# KiCad board PDNode_Baseboard.kicad_pcb (continued)
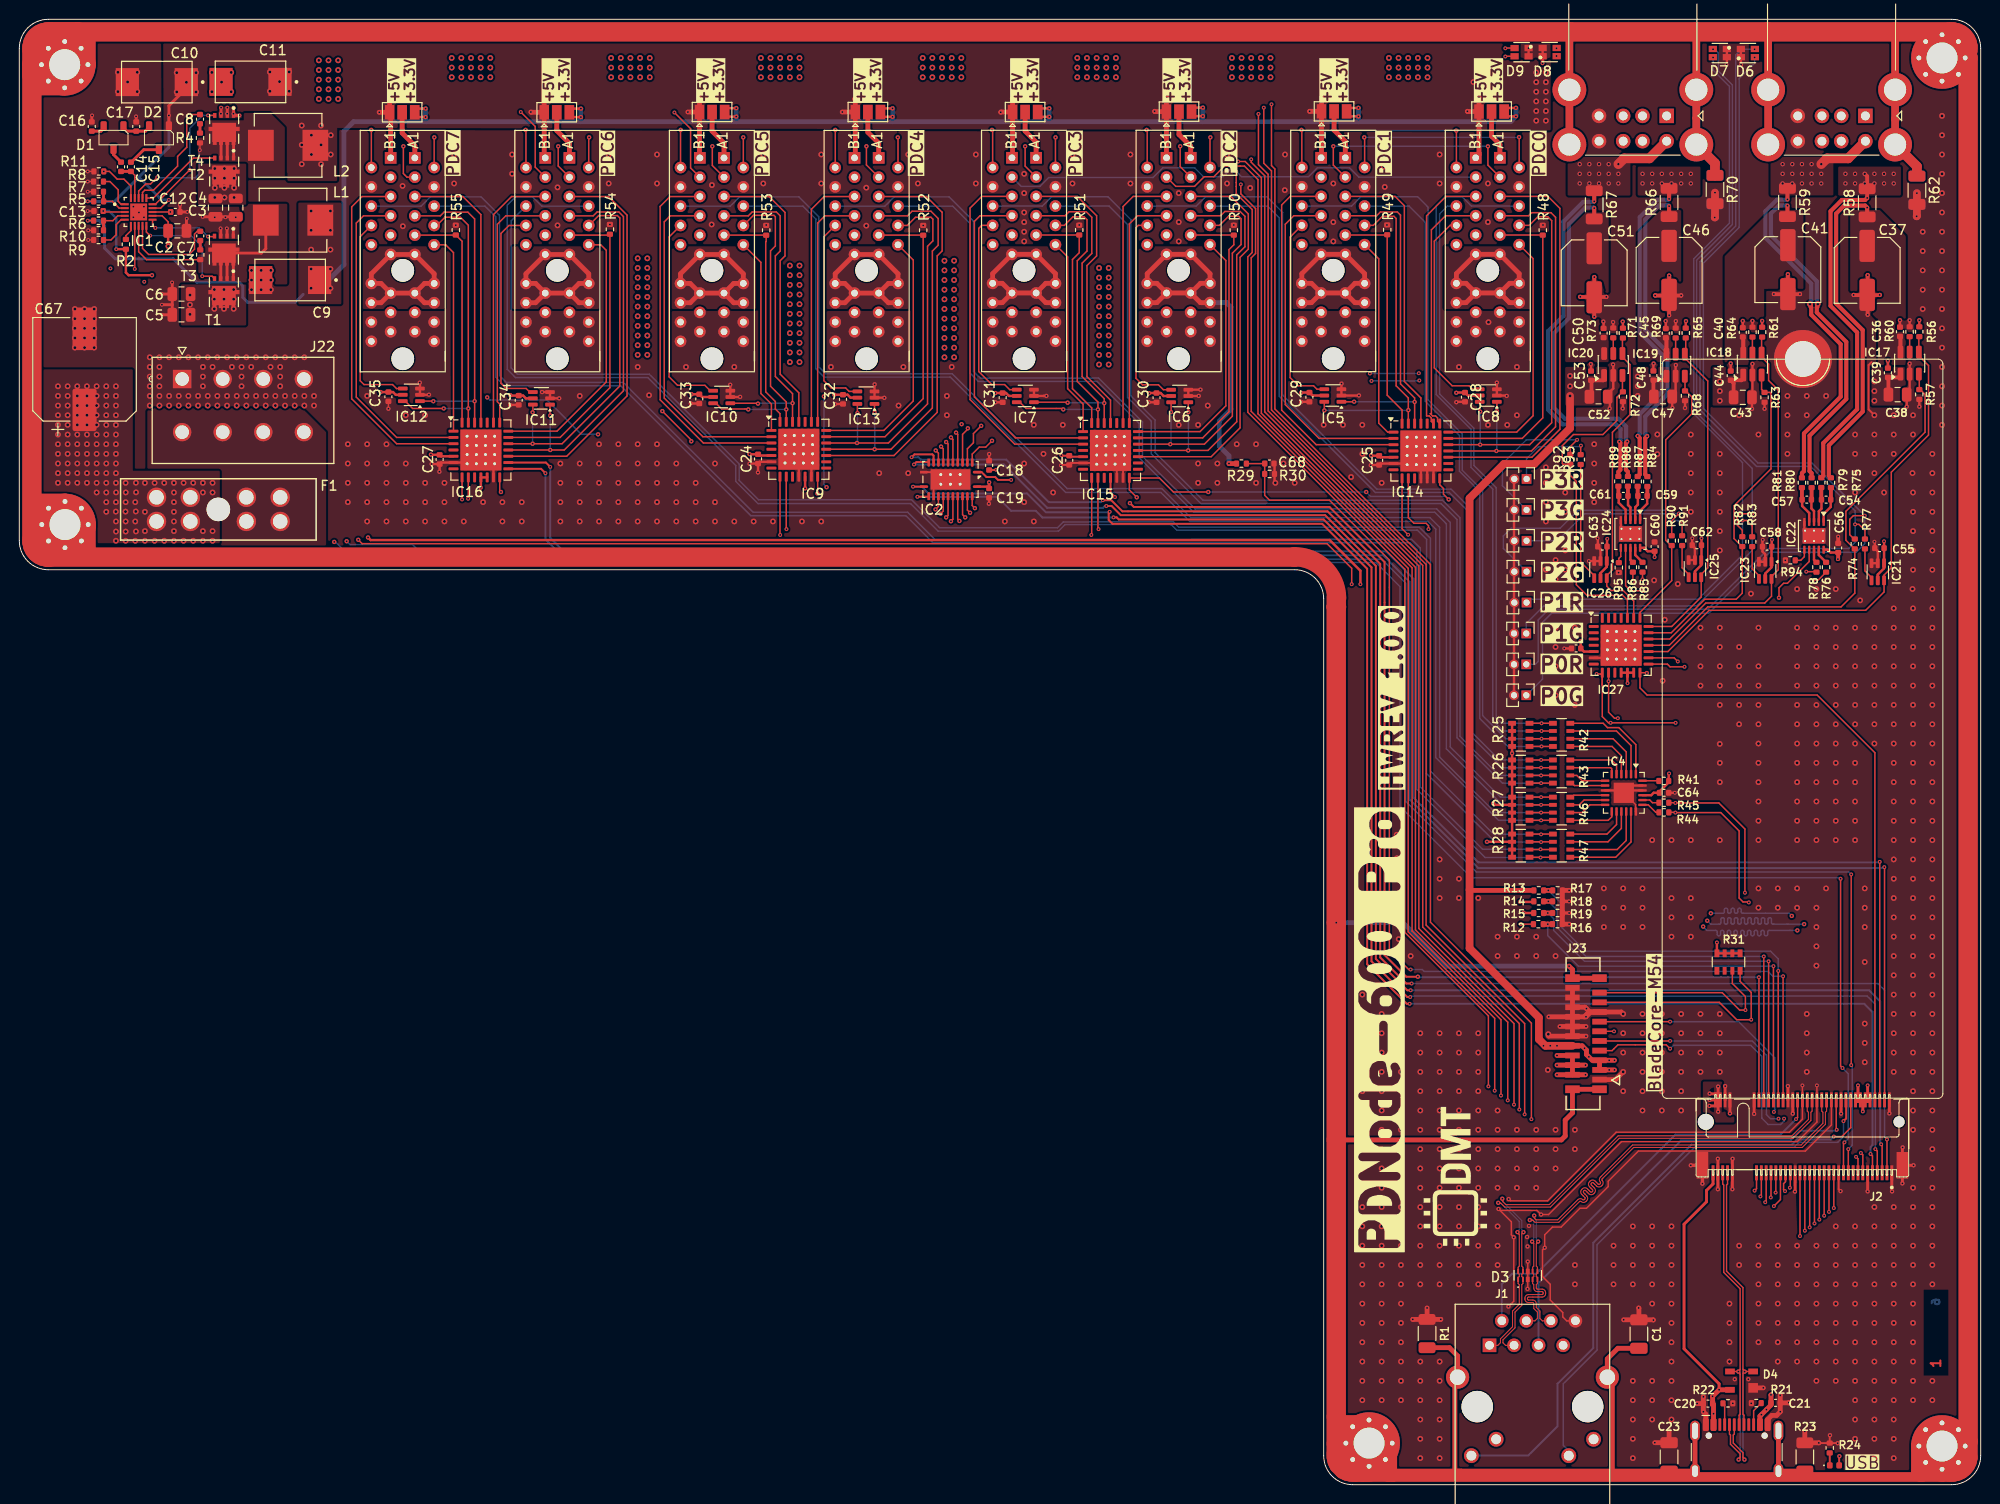
[diagram p0: board, top side]
## Nets (continued)
PORT_EN_PORT3: IC7.4 J7.B8
PORT_EN_PORT4: IC13.4 J8.B8
PORT_EN_PORT5: IC10.4 J9.B8
PORT_EN_PORT6: IC11.4 J10.B8
PORT_EN_PORT7: IC12.4 J11.B8
PORTA0_N: J12.1 R58.2 R79.2
PORTA0_P: C36.1 C37.1 IC17.6 R58.1 R75.2
PORTA1_N: J12.5 R59.1 R81.2
PORTA1_P: C40.1 C41.1 IC18.6 R59.2 R80.2
PORTA2_N: J13.1 R66.2 R87.2
PORTA2_P: C45.1 C46.1 IC19.6 R66.1 R84.2
PORTA3_N: J13.5 R67.1 R89.2
PORTA3_P: C50.1 C51.1 IC20.6 R67.2 R88.2
SHIELD: C1.2 C23.1 C42.1 C49.1 H1.1 H2.1 H3.1 H4.1 H5.1 J1.13 J1.14 J3.S1 J12.9 J13.9 J23.P1 J23.P2 J23.P3 J23.P4 R1.2 R23.1 R62.1 R70.1
Net-(C7-Pad2): C7.2 R3.1
Net-(C8-Pad2): C8.2 R4.1
Net-(C14-Pad2): C14.2 D1.3
Net-(C15-Pad2): C15.2 D2.3
Net-(C17-Pad1): C17.1 D1.1 D2.2
Net-(D6-A1): D6.4 J14.1 R74.2
Net-(D6-A2): D6.3 J15.1 R77.2
Net-(D7-A1): D7.4 J16.1 R82.2
Net-(D7-A2): D7.3 J17.1 R83.2
Net-(D8-A1): D8.4 J18.1 R90.2
Net-(D8-A2): D8.3 J19.1 R91.2
Net-(D9-A1): D9.4 J20.1 R92.2
Net-(D9-A2): D9.3 J21.1 R93.2
Net-(IC1-VBST1): C8.1 IC1.17
Net-(IC1-VBST2): C7.1 IC1.9
Net-(IC4-SCL0): IC4.2 R42.7
Net-(IC4-SCL1): IC4.4 R42.5
Net-(IC4-SCL2): IC4.6 R43.7
Net-(IC4-SCL3): IC4.8 R43.5
Net-(IC4-SCL4): IC4.11 R46.7
Net-(IC4-SCL5): IC4.13 R46.5
Net-(IC4-SCL6): IC4.15 R47.7
Net-(IC4-SCL7): IC4.17 R47.5
Net-(IC4-SDA0): IC4.1 R42.8
Net-(IC4-SDA1): IC4.3 R42.6
Net-(IC4-SDA2): IC4.5 R43.8
Net-(IC4-SDA3): IC4.7 R43.6
Net-(IC4-SDA4): IC4.10 R46.8
Net-(IC4-SDA5): IC4.12 R46.6
Net-(IC4-SDA6): IC4.14 R47.8
Net-(IC4-SDA7): IC4.16 R47.6
Net-(IC17-ILIM): IC17.5 R60.1
Net-(IC18-ILIM): IC18.5 R64.1
Net-(IC19-ILIM): IC19.5 R69.1
Net-(IC20-ILIM): IC20.5 R73.1
Net-(IC21-Y): IC21.4 R77.1
Net-(IC22-ADDR_SEL): IC22.6 R94.2
Net-(IC22-SENSE1+): C54.1 IC22.1 R75.1
Net-(IC22-SENSE1-): C54.2 IC22.2 R79.1
Net-(IC22-SENSE2+): C57.1 IC22.3 R80.1
Net-(IC22-SENSE2-): C57.2 IC22.4 R81.1
Net-(IC23-Y): IC23.4 R83.1
Net-(IC24-ADDR_SEL): IC24.6 R95.2
Net-(IC24-SENSE1+): C59.1 IC24.1 R84.1
Net-(IC24-SENSE1-): C59.2 IC24.2 R87.1
Net-(IC24-SENSE2+): C61.1 IC24.3 R88.1
Net-(IC24-SENSE2-): C61.2 IC24.4 R89.1
Net-(IC25-Y): IC25.4 R91.1
Net-(IC26-Y): IC26.4 R93.1
Net-(J3-CC1): J3.A5 R22.1
Net-(J3-CC2): J3.B5 R21.1
Net-(JP1-C): J4.A1 JP1.2
Net-(JP2-C): J5.A1 JP2.2
Net-(JP3-C): J6.A1 JP3.2
Net-(JP4-C): J7.A1 JP4.2
Net-(JP5-C): J8.A1 JP5.2
Net-(JP6-C): J9.A1 JP6.2
Net-(JP7-C): J10.A1 JP7.2
Net-(JP8-C): J11.A1 JP8.2

Pads without a net: IC9 4 7 10 15 16 24; IC14 4 7 10 15 16 24; IC15 4 7 10 15 16 24; IC16 4 7 10 24; IC27 1 2 3 4 7 10 25 26 27 28; J1 7; J2 17; J3 A8 B8; J12 2 3 6 7; J13 2 3 6 7; R31 1 2

## Via types
v1: diameter 0.45, hole 0.2, F.Cu (SIG) to B.Cu (SIG), 316 vias
v2: diameter 0.6, hole 0.3, F.Cu (SIG) to B.Cu (SIG), 1346 vias
v3: diameter 0.4, hole 0.2, F.Cu (SIG) to B.Cu (SIG), 271 vias
v4: diameter 0.45, hole 0.25, F.Cu (SIG) to B.Cu (SIG), 54 vias

## Routing (per net, layer and track width the routed paths; a pad name or vN(x,y) marks a point on that pad's centre or on a via; arc(x,y) is an arc through that point)
+3.3V: length 305.1
  F.Cu (SIG) w0.15: R6.1 v3(7.08,130.9)
  F.Cu (SIG) w0.2: v3(113.4,102.28) 112.94,102.74 IC15.11 ; IC15.5 108.77,106.45 C26.1 107.89,106.56 v3(107.85,106.6) ; v3(101.1,105.1) 101.07,105.08 C18.1
  F.Cu (SIG) w0.25: 121.75,141.72 v1(122.5,141.72) ; v1(101,113.05) 101.15,113.05 101.15,113.05 C31.1 102.12,113.05 102.43,112.75 IC7.5 ; J2.10 J2.16 190.05,39.7 190.1,39.65 191.4,39.65 191.5,39.75 191.5,39.95 190.1,39.95 ; IC16.5 43.65,106.5 C27.1 42.62,106.65 v1(42.6,106.67) ; IC14.5 140.89,106.4 C25.1 139.92,106.56 v1(139.9,106.58) ; IC9.5 76.59,106.58 C24.1 75.59,106.7 v1(75.57,106.72) ; IC21.5 192.35,94.25 193,94.9 IC21.1 193,96.98 C55.1 193,97.7 v3(193,97.7) ; v1(116.93,113.03) 116.95,113.05 C30.1 118.12,113.05 118.43,112.74 IC6.5 ; 57.12,142.5 v1(58.12,142.5) ; v1(161.6,87.35) 161.61,87.34 C65.1 161.94,86.28 IC27.5 ; IC23.5 180.7,94.35 181.35,95 IC23.1 181.35,97.11 C58.1 181.38,97.83 v3(181.4,97.85) ; IC12.5 38.96,112.86 38.68,113.15 C35.1 v1(37.4,113.15) ; IC4.21 168.9,71.4 169.15,71.65 C64.1 169.75,71.78 170.7,72.72 170.7,72.86 R41.1 170.71,73.61 v3(170.75,73.65) ; v3(174.1,98) 174.1,98 C62.1 174.1,95.78 IC25.1 174.07,95.22 173.43,94.58 IC25.5 ; 73.45,141.68 v1(74.2,141.68) ; v1(148.73,113.08) 148.75,113.1 C28.1 149.94,112.79 IC8.5 ; IC24.10 168.18,97.02 168.54,96.67 C60.1 v3(169.25,96.05) ; v1(165.95,120.45) 165.97,120.43 R71.1 ; v1(42.05,142.5) 41.05,142.5 40.93,142.38 JP8.3 40.97,142.07 40.97,141.85 41.2,141.62 v1(42.05,141.62) ; 73.2,142.55 v1(74.2,142.55) ; R27.6 152.7,70.4 v1(152.55,70.55) ; 57.38,141.62 v1(58.12,141.62) ; 137.6,142.57 v1(138.6,142.57) ; R31.5 R31.6 R31.7 R31.8 v3(175.7,56.15) ; v1(69.57,112.92) C33.1 70.66,112.64 IC10.5 ; 154.15,141.7 v1(154.9,141.7) ; R28.8 v1(154.5,75.75) R25.5 ; IC27.13 IC27.12 ; IC27.12 IC27.11 ; IC27.12 166.44,83.01 v3(166.45,83) ; 105.85,141.65 v1(106.6,141.65) ; C19.1 100.18,103.36 IC2.24 ; R15.1 155.75,59.2 v3(155.7,59.25) ; IC11.5 52.43,112.5 52.14,112.78 C34.1 50.87,112.78 v1(50.82,112.83) ; R65.1 172.47,120.47 v1(172.5,120.5) ; v3(164.35,97.95) 164.33,97.93 C63.1 164.3,97.12 IC26.1 164.3,95.05 163.65,94.4 IC26.5 ; v1(81.32,103.17) 81.33,103.18 IC9.12 ; R56.1 v1(196.65,120.59) ; 137.85,141.7 v1(138.6,141.7) ; 153.9,142.57 v1(154.9,142.57) ; 105.6,142.53 v1(106.6,142.53) ; IC13.5 86.03,112.57 85.73,112.88 C32.1 v1(84.35,112.88) ; 89.62,141.65 v1(90.38,141.65) ; 121.5,142.6 v1(122.5,142.6) ; IC5.5 133.83,112.79 C29.1 132.7,113.1 v1(132.68,113.08) ; R28.6 v1(151.9,66.58) ; R61.1 v1(180.38,120.51) ; v1(47.75,103.25) 47.77,103.27 IC16.11 IC16.12 ; IC22.10 187.18,96.82 187.47,96.53 C56.1 ; 89.38,142.53 v1(90.38,142.53)
  F.Cu (SIG) w0.3: 191.3,39.85 v3(191.3,41.35) ; v3(190.3,41.35) 190.3,39.85 ; v1(100.38,103.8) C19.1 ; 190.8,39.85 v3(190.8,38.65)
  F.Cu (SIG) w0.4: v3(188.23,95.85) 188.25,95.88 C56.1
  F.Cu (SIG) w0.5: J23.2 v3(159.15,42.45) ; J23.2 v3(162.1,42.45) ; J23.2 J23.6 v3(159.15,44.45) ; v3(159.15,43.45) J23.4 v3(162.1,43.45)
  B.Cu (SIG) w0.3: 29.38,123.27 28.56,122.45 23.63,122.45 23.13,122.95 23.13,124.15 22.76,124.52 18.36,124.52 15.93,126.95 9.93,126.95 8.83,128.05 8.83,130.35 8.28,130.9 v3(7.08,130.9)
  B.Cu (SIG) w0.5: v1(42.05,142.5) v1(42.05,141.62) 42.05,141.2 42.1,141.15 ; 154.48,141.28 v1(154.9,141.7) ; 154.48,141.28 154.48,141.32 154.9,141.75 v1(154.9,142.57) ; 154.48,141.28 154.35,141.15 138.6,141.15 ; 106.6,141.15 122.5,141.15 ; 106.6,141.15 90.4,141.15 ; 106.6,141.15 v1(106.6,142.53) ; 122.5,141.15 v1(122.5,142.6) ; 122.5,141.15 138.6,141.15 ; 74.2,141.15 v1(74.2,142.55) ; 74.2,141.15 90.4,141.15 ; 74.2,141.15 58.1,141.15 ; 90.4,141.15 90.4,142.5 v1(90.38,142.53) ; 32,124.75 33.6,126.35 33.6,140.15 34.6,141.15 42.1,141.15 ; 58.1,141.15 58.1,142.47 v1(58.12,142.5) ; 58.1,141.15 42.1,141.15 ; 138.6,141.15 v1(138.6,142.57)
  vias: v2(30.2,131.9) v2(30.2,129.9) v2(30.2,127.9) v2(30.2,125.9) v2(30.2,123.9) v2(32.2,131.9) v2(32.2,129.9) v2(32.2,127.9) v2(32.2,125.9) v2(32.2,123.9)
+3.3VA: length 214.7
  F.Cu (SIG) w0.15: v3(8.68,131.9) 8.78,131.8 IC1.3
  F.Cu (SIG) w0.25: v1(36.09,98.09) 36.36,97.82 135.63,97.82 138.8,94.65 v3(138.8,93.25) ; v3(155.3,60.35) 156.69,60.35 R14.1 ; v1(13.73,125.25) 11.31,125.25 11.03,125.53 R2.1 11.02,127.95 v3(10.03,127.95)
  In2.Cu (SIG) w0.25: v1(36.09,98.09) 33,101.18 33,117 30.25,119.75 14.75,119.75 13.5,121 13.5,123 13.75,123.25 13.75,125.23 v1(13.73,125.25) ; v3(155.3,60.35) 154.8,59.85 141.4,59.85 138.8,62.45 v3(138.8,93.25)
  B.Cu (SIG) w0.25: v3(10.03,127.95) 10.03,131.15 9.28,131.9 v3(8.68,131.9)
+5V: length 322.3
  F.Cu (SIG) w0.149: IC1.14 14.63,132.2 v3(15.48,133.05)
  F.Cu (SIG) w0.15: R5.1 v3(7.08,132.9)
  F.Cu (SIG) w0.3: 16.66,143.97 15.48,142.8 v3(15.48,141.8) D2.1
  F.Cu (SIG) w0.4: C47.1 169.13,112.73 C48.1 170.23,114.38 170.4,114.55 170.4,114.72 IC19.1 ; IC20.1 164.02,114.47 163.92,114.37 C53.1 162.72,114.32 162.72,112.89 C52.1 ; C43.1 177.43,114.07 C44.1 178.24,114.37 178.43,114.56 178.42,114.57 IC18.1 ; C38.1 193.45,114.62 C39.1 194.58,114.67 194.7,114.79 IC17.1
  F.Cu (SIG) w0.5: JP2.1 133.56,142.22 v1(133.55,142.22) ; JP2.1 134.77,137.45 J5.B1 ; JP2.1 134.77,143.6 v1(134.8,143.62) ; v1(52.95,142.15) 52.97,142.12 JP7.1 ; J10.B1 54.32,137.51 JP7.1 ; J11.B1 38.43,142.02 JP8.1 ; JP6.1 70.4,143.5 v1(70.43,143.53) ; JP6.1 70.4,137.43 J9.B1 ; JP6.1 v1(69.2,142.15) ; JP4.1 102.8,137.47 J7.B1 ; JP4.1 102.8,143.53 v1(102.77,143.55) ; JP4.1 101.6,142.15 v1(101.57,142.12) ; JP5.1 86.52,137.48 J8.B1 ; JP5.1 86.52,143.43 v1(86.45,143.5) ; JP5.1 v1(85.18,142.15) ; v1(118.75,143.62) 118.73,143.6 JP3.1 ; JP8.1 v1(38.32,143.47) ; JP8.1 v1(37.25,142.12) ; JP1.1 151.07,137.75 J4.B1 ; JP1.1 v1(151.07,143.68) ; JP1.1 149.9,142.2 v1(149.88,142.22) ; v3(165.1,42.95) J23.3 J23.5 ; JP7.1 v1(54.32,143.55) ; J23.5 162.8,43.95 162.2,44.55 162.2,45 161.75,45.45 J23.8 v3(159.15,45.45) ; J23.5 v3(165.1,43.95) ; v1(117.5,142.22) 117.53,142.19 JP3.1 ; 150.1,61.6 150.16,61.54 R13.1 ; JP3.1 118.73,137.42 J6.B1
  F.Cu (SIG) w0.8: J23.8 157.95,45.45 157.27,46.12 157.27,48.38 150.1,55.55 150.1,102.15 153.65,105.7 156.8,105.7 160.5,109.4 v2(160.5,112.75)
  In2.Cu (SIG) w0.8: v2(192,112.25) 192,117.25 188.4,120.85 181.65,120.85 178.26,124.24 ; v2(160.5,112.75) 160.5,129.25 ; 160.5,129.25 165,129.25 167.5,126.75 v2(167.5,112.75) ; 160.5,129.25 160.5,133.75 157.85,136.4 157.85,141.1 v2(158,141.25) ; 178.26,124.24 178.26,143.79 175.15,146.9 158.65,146.9 v2(158,146.25) v2(157,146.25) ; 178.26,124.24 178.24,124.24 176,122 v2(176,112.25)
  B.Cu (SIG) w0.3: 12.38,135.4 9.88,132.9 v3(7.08,132.9) ; 12.38,135.4 15.48,138.5 v3(15.48,141.8) ; 12.38,135.4 14.73,133.05 v3(15.48,133.05)
  vias: v2(16.29,146.23) v2(16.29,144.23) v2(17.29,145.23) v2(18.29,146.23) v2(18.29,144.23) v2(25.93,146.3) v2(25.93,144.3) v2(26.93,145.3) v2(27.93,146.3) v2(27.93,144.3) v2(29.23,140.75) v2(29.23,138.75) v2(29.23,136.75) v2(30.23,139.75) v2(30.23,137.75) v2(31.23,140.75) v2(31.23,138.75) v2(31.23,136.75) v2(32.23,139.75) v2(32.23,137.75) v2(150.5,145.25) v2(157,145.25) v2(157,144.25) v2(157,143.25) v2(157,142.25) v2(157,141.25) v2(158,145.25) v2(158,144.25) v2(158,143.25) v2(158,142.25) v2(160.5,114.82) v2(160.5,113.75) v2(167.5,114.75) v2(167.5,113.75) v2(176,114.25) v2(176,113.25) v2(192,114.25) v2(192,113.25) v3(157.75,45.45) v3(158.45,45.45) v3(162,45.2) v3(162.45,44.3) v3(164.55,43.95) v3(164.55,42.95)
+5VA: length 212.7
  F.Cu (SIG) w0.149: v1(35.08,97.85) 35.48,97.45 135.35,97.45 137.9,94.9 v3(137.9,93.25) ; R12.1 v3(155.4,58.05) ; IC1.13 v3(15.63,131.8) C12.1
  In2.Cu (SIG) w0.149: v3(15.63,131.8) 14.68,130.85 14.68,127.7 12.93,125.95 v3(12.93,124.57) 12.93,120.57 14.25,119.25 29.75,119.25 32.5,116.5 32.5,100.43 v1(35.08,97.85) ; v3(137.9,93.25) 137.9,61.75 141.6,58.05 v3(155.4,58.05)
+15V: length 1.6
  F.Cu (SIG) w0.3: D1.2 8.73,140.45 8.45,140.17 C16.1
+24V: length 204.1
  F.Cu (SIG) w0.15: IC1.12 14.78,131.4 15.4,130.78 C2.1
  F.Cu (SIG) w0.25: C2.1 15.4,128.28 v2(15.43,128.25)
  F.Cu (SIG) w0.5: J6.B13 117.74,124.41 J6.B12 116.74,125.41 J6.B11 J6.A11 123.24,125.41 J6.A12 122.24,124.41 J6.A13 ; J6.B13 J6.A13 ; J6.B13 117.74,122.41 J6.B14 ; J9.A13 73.93,124.4 J9.A12 74.93,125.4 J9.A11 J9.B11 68.43,125.4 J9.B12 69.43,124.4 J9.B13 ; J9.A13 73.93,122.4 J9.A14 ; J9.A13 J9.B13 ; J11.A13 41.93,124.4 J11.A12 42.93,125.4 J11.A11 J11.B11 36.43,125.4 J11.B12 37.43,124.4 J11.B13 ; J11.A13 J11.B13 ; J11.A13 41.93,122.4 J11.A14 ; v3(125.2,105.75) 125.21,105.74 R29.1 ; J8.B13 85.44,122.4 J8.B14 ; J8.B13 J8.A13 ; J8.B13 85.44,124.4 J8.B12 84.44,125.4 J8.B11 J8.A11 90.94,125.4 J8.A12 89.94,124.4 J8.A13 ; J5.B14 133.74,122.41 J5.B13 ; J8.A13 89.94,122.4 J8.A14 ; J4.B13 149.74,124.41 J4.B12 148.74,125.41 J4.B11 J4.A11 155.24,125.41 J4.A12 154.24,124.41 J4.A13 ; J4.B13 149.74,122.41 J4.B14 ; J4.B13 J4.A13 ; J5.A13 J5.B13 ; J5.A13 138.24,124.41 J5.A12 139.24,125.41 J5.A11 J5.B11 132.74,125.41 J5.B12 133.74,124.41 J5.B13 ; J5.A13 138.24,122.41 J5.A14 ; J11.B13 37.43,122.4 J11.B14 ; J10.B13 J10.A13 ; J10.B13 53.43,122.4 J10.B14 ; J10.B13 53.43,124.4 J10.B12 52.43,125.4 J10.B11 J10.A11 58.93,125.4 J10.A12 57.93,124.4 J10.A13 ; J10.A13 57.93,122.4 J10.A14 ; J7.A13 106.24,122.41 J7.A14 ; J7.A13 106.24,124.41 J7.A12 107.24,125.41 J7.A11 J7.B11 100.74,125.41 J7.B12 101.74,124.41 J7.B13 ; J7.A13 J7.B13 ; J6.A14 122.24,122.41 J6.A13 ; J4.A14 154.24,122.41 J4.A13 ; J9.B14 69.43,122.4 J9.B13 ; J7.B14 101.74,122.41 J7.B13 ; C67.1 6.55,111.3 v2(6,110.75)
  B.Cu (SIG) w0.5: v3(125.2,105.75) 125.2,106.55 124.2,107.55 124.2,110.15 125.4,111.35 125.4,121.95 124.94,122.41 J6.A14
  vias: v2(4,113.75) v2(4,112.75) v2(4,111.75) v2(4,110.75) v2(4,109.75) v2(4,108.75) v2(4,107.75) v2(4,106.75) v2(4,105.75) v2(4,104.75) v2(4,103.75) v2(5,113.75) v2(5,112.75) v2(5,111.75) v2(5,110.75) v2(5,109.75) v2(5,108.75) v2(5,107.75) v2(5,106.75) v2(5,105.75) v2(5,104.75) v2(5,103.75) v2(6,113.75) v2(6,112.75) v2(6,111.75) v2(6,109.75) v2(6,108.75) v2(6,107.75) v2(6,106.75) v2(6,105.75) v2(6,104.75) v2(6,103.75) v2(7,113.75) v2(7,112.75) v2(7,111.75) v2(7,110.75) v2(7,109.75) v2(7,108.75) v2(7,107.75) v2(7,106.75) v2(7,105.75) v2(7,104.75) v2(7,103.75) v2(8,113.75) v2(8,112.75) v2(8,111.75) v2(8,110.75) v2(8,109.75) v2(8,108.75) v2(8,107.75) v2(8,106.75) v2(8,105.75) v2(8,104.75) v2(8,103.75) v2(8,102.75) v2(9,113.75) v2(9,112.75) v2(9,111.75) v2(9,110.75) v2(9,109.75) v2(9,108.75) v2(9,107.75) v2(9,106.75) v2(9,105.75) v2(9,104.75) v2(9,103.75) v2(9,102.75) v2(9,101.75) v2(9,100.75) v2(9.99,100.77) v2(10,113.75) v2(10,112.75) v2(10,111.75) v2(10,110.75) v2(10,109.75) v2(10,108.75) v2(10,107.75) v2(10,106.75) v2(10,105.75) v2(10,104.75) v2(10,103.75) v2(10.01,102.76) v2(10,101.75) v2(10,99.75) v2(10,98.71) v2(10,97.75) v2(10.99,100.77) v2(11,103.75) v2(11.01,102.76) v2(11,101.75) v2(11,99.75) v2(11,98.71) v2(11,97.75) v2(12.07,103.76) v2(12.08,102.77) v2(12,101.75) v2(12.06,100.78) v2(12,99.75) v2(12.07,98.72) v2(12,97.75) v2(13,103.75) v2(13,100.75) v2(13,98.75) v2(13,97.75) v2(14,103.75) v2(14,97.75) v2(15,103.75) v2(15,97.75) v2(16,103.75) v2(16,102.75) v2(16,101.75) v2(16,100.75) v2(16,99.75) v2(16,98.75) v2(16,97.75) v2(17,103.75) v2(17,97.75) v2(17.66,123.19) v2(17.66,122.19) v2(17.66,121.19) v2(18,103.75) v2(18,97.75) v2(19,103.75) v2(19,102.75) v2(19,98.75) v2(19,97.75) v2(20,103.75) v2(20,102.75) v2(20,98.75) v2(20,97.75) v2(20.18,123.77) v2(20.18,122.77) v2(20.18,121.77) v2(20.23,136.3) v2(20.23,135.3) v2(20.23,134.3) v2(20.23,133.3) v2(21.18,123.77) v2(21.18,122.77) v2(21.18,121.77) v2(21.23,136.3) v2(21.23,135.3) v2(21.23,134.3) v2(21.23,133.3) v2(22.18,123.77) v2(22.18,122.77) v2(22.18,121.77) v2(22.23,136.3) v2(22.23,135.3) v2(22.23,134.3) v2(22.23,133.3) v2(31,147.5) v2(31,146.5) v2(31,145.5) v2(31,144.5) v2(31,143.5) v2(32,147.5) v2(32,146.5) v2(32,145.5) v2(32,144.5) v2(32,143.5) v2(33,147.5) v2(33,146.5) v2(33,145.5) v2(33,144.5) v2(33,143.5) v2(44.75,147.75) v2(44.75,146.75) v2(44.75,145.75) v2(45.75,147.75) v2(45.75,146.75) v2(45.75,145.75) v2(46.75,147.75) v2(46.75,146.75) v2(46.75,145.75) v2(47.75,147.75) v2(47.75,146.75) v2(47.75,145.75) v2(48.75,147.75) v2(48.75,146.75) v2(48.75,145.75) v2(61.25,147.75) v2(61.25,146.75) v2(61.25,145.75) v2(62.25,147.75) v2(62.25,146.75) v2(62.25,145.75) v2(63.25,147.75) v2(63.25,146.75) v2(63.25,145.75) v2(64,127) v2(64,126) v2(64,125) v2(64,124) v2(64,123) v2(64,122) v2(64,121) v2(64,120) v2(64,119) v2(64,118) v2(64,117) v2(64.25,147.75) v2(64.25,146.75) v2(64.25,145.75) v2(65,127) v2(65,126) v2(65,125) v2(65,124) v2(65,123) v2(65,122) v2(65,121) v2(65,120) v2(65,119) v2(65,118) v2(65,117) v2(65.25,147.75) v2(65.25,146.75) v2(65.25,145.75) v2(76.75,147.75) v2(76.75,146.75) v2(76.75,145.75) v2(77.75,147.75) v2(77.75,146.75) v2(77.75,145.75) v2(78.75,147.75) v2(78.75,146.75) v2(78.75,145.75) v2(79.75,147.75) v2(79.75,146.75) v2(79.75,145.75) v2(79.75,126.25) v2(79.75,125.25) v2(79.75,124.25) v2(79.75,123.25) v2(79.75,122.25) v2(79.75,121.25) v2(79.75,120.25) v2(79.75,119.25) v2(79.75,118.25) v2(79.75,117.25) v2(79.75,116.25) v2(80.75,147.75) v2(80.75,146.75) v2(80.75,145.75) v2(80.75,126.25) v2(80.75,125.25) v2(80.75,124.25) v2(80.75,123.25) v2(80.75,122.25) v2(80.75,121.25) v2(80.75,120.25) v2(80.75,119.25) v2(80.75,118.25) v2(80.75,117.25) v2(80.75,116.25) v2(93.5,147.75) v2(93.5,146.75) v2(93.5,145.75) v2(94.5,147.75) v2(94.5,146.75) v2(94.5,145.75) v2(95.5,147.75) v2(95.5,146.75) v2(95.5,145.75) v2(95.75,126.75) v2(95.75,125.75) v2(95.75,124.75) v2(95.75,123.75) v2(95.75,122.75) v2(95.75,121.75) v2(95.75,120.75) v2(95.75,119.75) v2(95.75,118.75) v2(95.75,117.75) v2(95.75,116.75) v2(96.5,147.75) v2(96.5,146.75) v2(96.5,145.75) v2(96.75,126.75) v2(96.75,125.75) v2(96.75,124.75) v2(96.75,123.75) v2(96.75,122.75) v2(96.75,121.75) v2(96.75,120.75) v2(96.75,119.75) v2(96.75,118.75) v2(96.75,117.75) v2(96.75,116.75) v2(97.5,147.75) v2(97.5,146.75) v2(97.5,145.75) v2(109.5,147.75) v2(109.5,146.75) v2(109.5,145.75) v2(110.5,147.75) v2(110.5,146.75) v2(110.5,145.75) v2(111.5,147.75) v2(111.5,146.75) v2(111.5,145.75) v2(111.75,126) v2(111.75,125) v2(111.75,124) v2(111.75,123) v2(111.75,122) v2(111.75,121) v2(111.75,120) v2(111.75,119) v2(111.75,118) v2(111.75,117) v2(111.75,116) v2(112.5,147.75) v2(112.5,146.75) v2(112.5,145.75) v2(112.75,126) v2(112.75,125) v2(112.75,124) v2(112.75,123) v2(112.75,122) v2(112.75,121) v2(112.75,120) v2(112.75,119) v2(112.75,118) v2(112.75,117) v2(112.75,116) v2(113.5,147.75) v2(113.5,146.75) v2(113.5,145.75) v2(125.5,147.75) v2(125.5,146.75) v2(125.5,145.75) v2(126.5,147.75) v2(126.5,146.75) v2(126.5,145.75) v2(127.5,147.75) v2(127.5,146.75) v2(127.5,145.75) v2(128.5,147.75) v2(128.5,146.75) v2(128.5,145.75) v2(129.5,147.75) v2(129.5,146.75) v2(129.5,145.75) v2(141.75,147.75) v2(141.75,146.75) v2(141.75,145.75) v2(142.75,147.75) v2(142.75,146.75) v2(142.75,145.75) v2(143.75,147.75) v2(143.75,146.75) v2(143.75,145.75) v2(144.75,147.75) v2(144.75,146.75) v2(144.75,145.75) v2(145.75,147.75) v2(145.75,146.75) v2(145.75,145.75)
/Project Architecture/System Power/3V3_BUCK_EN: length 1.6
  F.Cu (SIG) w0.149: IC1.6 11.55,129.87 11.03,129.35 R2.2
/Project Architecture/System Power/5V_BUCK_EN: length 278
  F.Cu (SIG) w0.15: v3(188.9,35.45) 188.8,35.35 J2.21 ; v3(188.7,43.15) 188.5,43.35 v3(188.5,62.75) ; v3(8.74,136) 9.33,136 10.13,135.2 10.83,135.2 11.55,134.48 IC1.20
  In2.Cu (SIG) w0.15: v1(32.59,97.63) 31.5,98.72 31.5,116.25 29.75,118 12,118 9.43,120.57 v3(9.43,125.95) 9.43,135.31 v3(8.74,136)
  B.Cu (SIG) w0.15: v3(188.5,62.75) 188.4,62.85 150.3,62.85 142.9,70.25 142.9,93 140.4,95.5 41.45,95.5 40.1,96.85 33.5,96.85 32.72,97.63 v1(32.59,97.63) ; v3(188.9,35.45) 189.3,35.85 189.3,42.55 v3(188.7,43.15)
GND: length 449.2
  F.Cu (SIG) w0.149: 161.05,16.97 160.16,16.97 159.75,17.38 159.75,17.82 158.45,19.12 158.45,20.75 157.65,21.55 157.65,24.31 v1(157.88,24.54) 157.86,24.54 157.88,24.56 157.88,25.88 158.68,26.68 159.57,26.68 161.52,28.62 162.2,28.62 164.45,30.88 164.45,31.43 167.57,34.55 184.85,34.55 187.55,37.25 J2.26 ; v1(154.15,29.57) 154.32,29.4 158.18,29.4 165.27,36.5 183.2,36.5 184.55,37.85 J2.38 v3(184.55,41.35) ; C35.2 v1(38.2,111.42) ; v1(179.25,8.43) 179.26,8.44 R21.2 ; v1(156.12,23.1) D3.3 D3.3 156.12,20.3 v1(156.1,20.28) ; R54.2 v1(61.12,130.5) ; v3(186.05,41.35) J2.32 186.05,37.55 184.02,35.53 165.82,35.53 158.27,27.97 v1(157.5,27.97) 157.07,28.4 153.25,28.4 v1(153.1,28.55) 154.43,27.22 154.43,25.88 v1(154.68,25.62) 154.68,19 v1(154.12,18.45)
  F.Cu (SIG) w0.15: IC4.25 167.29,70.43 167.29,70.01 167.3,70 ; R7.2 v3(7.08,133.9) ; R9.2 v3(7.13,128.9) ; R11.2 v3(7.08,136) ; R8.2 v3(7.08,134.95) ; R10.2 v3(7.13,129.9) ; C13.2 v3(7.08,131.9)
  F.Cu (SIG) w0.2: R24.1 186.26,4.31 v1(186.25,4.32) ; R24.1 187.38,5.1 v1(187.4,5.12) ; R24.1 188.19,4.31 v1(188.2,4.3) ; IC2.12 95.12,104.86 IC2.25 94.75,103.98 94.75,103.7 94.62,103.58 IC2.15 ; 167.3,70 167.3,69.72 IC4.18 ; IC15.29 114.24,105.56 IC15.13 ; J2.23 188.3,30.6 v1(188.5,30.4) ; 191.7,116.25 191.4,115.95 191.4,111.35 v2(192,110.75) ; IC15.29 111.39,105.81 IC15.6 108.87,105.81 C26.2 107.85,105.6 v3(107.8,105.55) ; IC15.12 113.59,105.5 IC15.29
  F.Cu (SIG) w0.25: v1(163.95,120.45) 163.97,120.43 C50.2 ; R60.2 v1(195.65,120.59) ; IC16.13 49.07,105.6 IC16.29 ; IC7.3 IC7.2 106.02,112.75 106.02,112.75 v1(106.3,112.75) ; C24.2 75.59,105.75 v1(75.57,105.72) ; C24.2 76.46,104.83 v1(76.45,104.83) ; C24.2 76.64,105.92 IC9.6 ; 167.09,85.38 IC27.29 ; IC4.25 165.81,71.9 IC4.9 ; IC4.25 166.31,71.9 IC4.22 ; IC4.25 166.81,72.4 IC4.23 ; v1(165.52,94.45) 165.54,94.47 R95.1 ; v1(139.88,105.58) 139.89,105.59 C25.2 140.89,105.75 IC14.6 143.51,105.75 IC14.29 ; v3(180.45,97.85) 180.42,97.81 180.42,96.64 180.7,96.35 IC23.2 IC23.3 ; C48.2 169.13,116.08 v1(169.15,116.1) ; v1(179.38,116.06) 179.37,116.06 IC18.2 179.37,112.65 C43.2 v1(179.33,111.41) ; v3(163.35,98) 163.37,97.98 C63.2 163.65,96.87 IC26.2 IC26.3 v3(162.45,95.65) ; v1(54.1,113.15) IC11.3 IC11.2 v1(55.88,112.5) ; v1(171.45,120.5) 171.43,120.48 R69.2 ; D6.1 D6.2 178.18,147.07 v3(178.2,147.05) ; v2(130,103.75) 129.91,103.84 R30.2 129.91,105.7 C68.2 ; C27.2 43.5,104.92 v1(43.47,104.9) ; C27.2 43.66,105.85 IC16.6 46.22,105.85 IC16.29 ; C27.2 42.69,105.69 v1(42.68,105.7) ; R73.2 164.97,120.38 v1(164.95,120.4) ; C32.2 84.44,111.92 v1(84.43,111.9) ; IC9.29 81.98,105.67 IC9.13 ; v1(122.25,113.4) 121,113.4 IC6.3 IC6.2 122.07,112.74 v1(122.07,112.75) ; IC14.12 145.71,106.4 IC14.29 ; IC27.29 164.24,85.62 IC27.6 ; C36.2 v1(194.65,120.59) ; C29.2 132.69,112.14 v1(132.68,112.12) ; v1(164.95,116) 164.97,115.98 IC20.2 164.97,113.52 164.4,112.95 C52.2 164.62,112.44 164.62,111.47 v1(164.6,111.45) ; v3(192,97.65) 192.04,97.61 C55.2 192.35,96.68 IC21.2 IC21.3 ; v1(195.65,116.09) IC17.2 195.65,113.19 C38.2 v1(195.35,111.64) ; IC14.11 IC14.29 ; IC14.29 146.36,105.75 IC14.13 ; v1(69.5,111.97) 69.51,111.97 C33.2 ; IC24.5 165.75,99.07 IC24.11 ; v1(136.85,114.03) 136.84,114.01 IC5.3 IC5.2 138.64,112.79 v1(138.65,112.8) ; C44.2 v1(177.13,116.11) ; v1(171.45,115.95) 171.43,115.93 IC19.2 171.43,113.03 C47.2 171.08,111.52 v1(171.1,111.5) ; C65.2 v3(159.9,86.6) ; v1(152.93,114.12) IC8.3 IC8.2 153.91,112.79 v1(153.95,112.75) ; v1(74.6,112.65) 74.59,112.64 IC10.2 IC10.3 73.59,113.89 v1(73.57,113.9) ; IC22.11 184.75,98.88 IC22.5 ; C18.2 v1(100.38,106.73) ; C64.2 v3(171.35,71.65) ; v1(162.65,116.05) 162.67,116.03 C53.2 ; R72.2 165.97,111.47 v1(165.95,111.45) ; J21.2 154.7,104.12 J14.2 ; R94.1 v1(182.77,95.72) ; v1(170.4,120.5) 170.41,120.49 C45.2 ; v3(176.7,147.05) 176.73,147.08 D7.1 D7.2 ; v1(50.8,111.8) 50.82,111.82 C34.2 ; v3(156.21,148.77) D9.1 ; IC25.3 IC25.2 173.43,97 C62.2 173.14,97.99 v3(173.15,98) ; C40.2 v1(178.38,120.51) ; R68.2 v1(172.4,111.5) ; v1(100.35,101.58) 100.38,101.61 C19.2 ; v1(148.73,112.1) 148.76,112.14 C28.2 ; D8.1 D8.2 157.66,147.21 v3(157.65,147.2) ; v1(89.52,112.55) 89.51,112.57 IC13.2 IC13.3 88.51,113.94 v1(88.52,113.95) ; v1(101.02,112.09) C31.2 ; v1(42.4,112.88) 42.39,112.86 IC12.2 IC12.3 41.47,114.11 v1(41.45,114.12) ; R64.2 v1(179.38,120.51) ; R63.2 v1(180.63,111.41) ; C39.2 v1(193.4,116.39) ; IC9.11 IC9.29 ; R57.2 v1(196.65,111.64) ; C30.2 116.91,112.09 v1(116.9,112.1) ; 184.75,97.64 IC22.11
  F.Cu (SIG) w0.3: v3(21.48,130.1) 21.5,130.08 T3.1 ; C6.2 14.77,123.3 v3(14.76,123.29) ; C6.2 15.83,122.19 ; C6.2 15.83,124.47 v3(15.81,124.49) ; v3(12.08,141.7) 12.1,141.68 C17.2 ; J2.44 v1(183.05,41.28) ; v3(17.33,131.1) 17.3,131.07 C2.2 ; 15.83,122.19 C5.2 14.82,121.15 14.81,121.14 14.71,121.14 ; 15.83,122.19 v3(14.76,122.19) ; v3(22.18,130.1) 22.15,130.07 T3.1 ; v1(177.3,30.6) J2.67 177.3,33.72 v1(177.32,33.75) ; v1(175.8,33.75) J2.73 v1(175.8,30.6) ; v1(183.77,30.35) 183.8,30.38 J2.41 ; J2.11 v1(191.3,30.38) ; v1(193.82,30.38) 193.8,30.4 J2.1 ; T3.1 20.85,130.08 v3(20.83,130.1) ; J2.22 v1(188.55,38.43) ; v1(194.93,34.93) 194.9,34.9 J2.SH1 ; J2.SH1 v1(196.05,33.07) ; J2.SH1 v1(194.9,31.2) ; J2.58 v1(179.55,38.4) ; v3(22.4,131.25) 22.35,131.3 C4.2 v3(18.98,131.3) ; v3(22.78,141.8) 22.18,141.8 22.18,142.59 v3(22.18,142.6) ; v3(21.53,142.6) 21.53,142.59 T4.1 ; J2.42 v1(183.55,38.43) ; T4.1 20.88,142.59 v3(20.88,142.6) ; v3(16.63,132.55) C12.2 v3(17.38,131.8) ; J2.70 v1(176.55,41.28) ; v3(7.53,141.8) 7.5,141.77 C16.2 ; J2.2 v1(193.55,38.45) ; J2.68 v1(177.05,38.45)
  F.Cu (SIG) w0.35: R19.2 160.4,59.2 v3(160.4,59.2) ; v1(174.2,31.18) J2.SH1 v1(173,33.07) ; R18.2 160.39,60.41 v3(160.4,60.4)
  F.Cu (SIG) w0.4: v1(161.56,123.01) 161.56,123.01 161.59,123.01 161.6,123 163,123 ; 170.75,123.15 172,123.15 172,123.15 v1(172,123.16) ; 170.75,123.15 169.35,123.15 169.34,123.16 169.31,123.16 v1(169.31,123.16) ; 170.75,123.15 170.75,125.2 v1(170.76,125.21) ; 170.75,123.15 170.75,121.11 v1(170.76,121.11) ; v1(163.01,125.06) 163,125.05 163,123 ; v1(191.31,125.26) 191.3,125.25 191.3,123.2 ; v1(181.6,123.3) 181.63,123.3 181.64,123.29 C41.2 ; C56.2 v3(188.25,98.17) ; 191.3,123.2 191.3,121.16 v1(191.31,121.16) ; 191.3,123.2 192.55,123.2 192.55,123.2 v1(192.55,123.21) ; 191.3,123.2 189.9,123.2 189.89,123.21 189.86,123.21 v1(189.86,123.21) ; C41.2 184.29,123.29 184.29,123.29 v1(184.29,123.3) ; C41.2 183.05,125.34 v1(183.05,125.35) ; v1(164.25,123.01) 164.25,123 164.25,123 163,123 ; 163,123 163,120.96 v1(163.01,120.96)